# Altium PCB TEBF0808ASCII.PcbDoc (part 7 of 10) (continued)
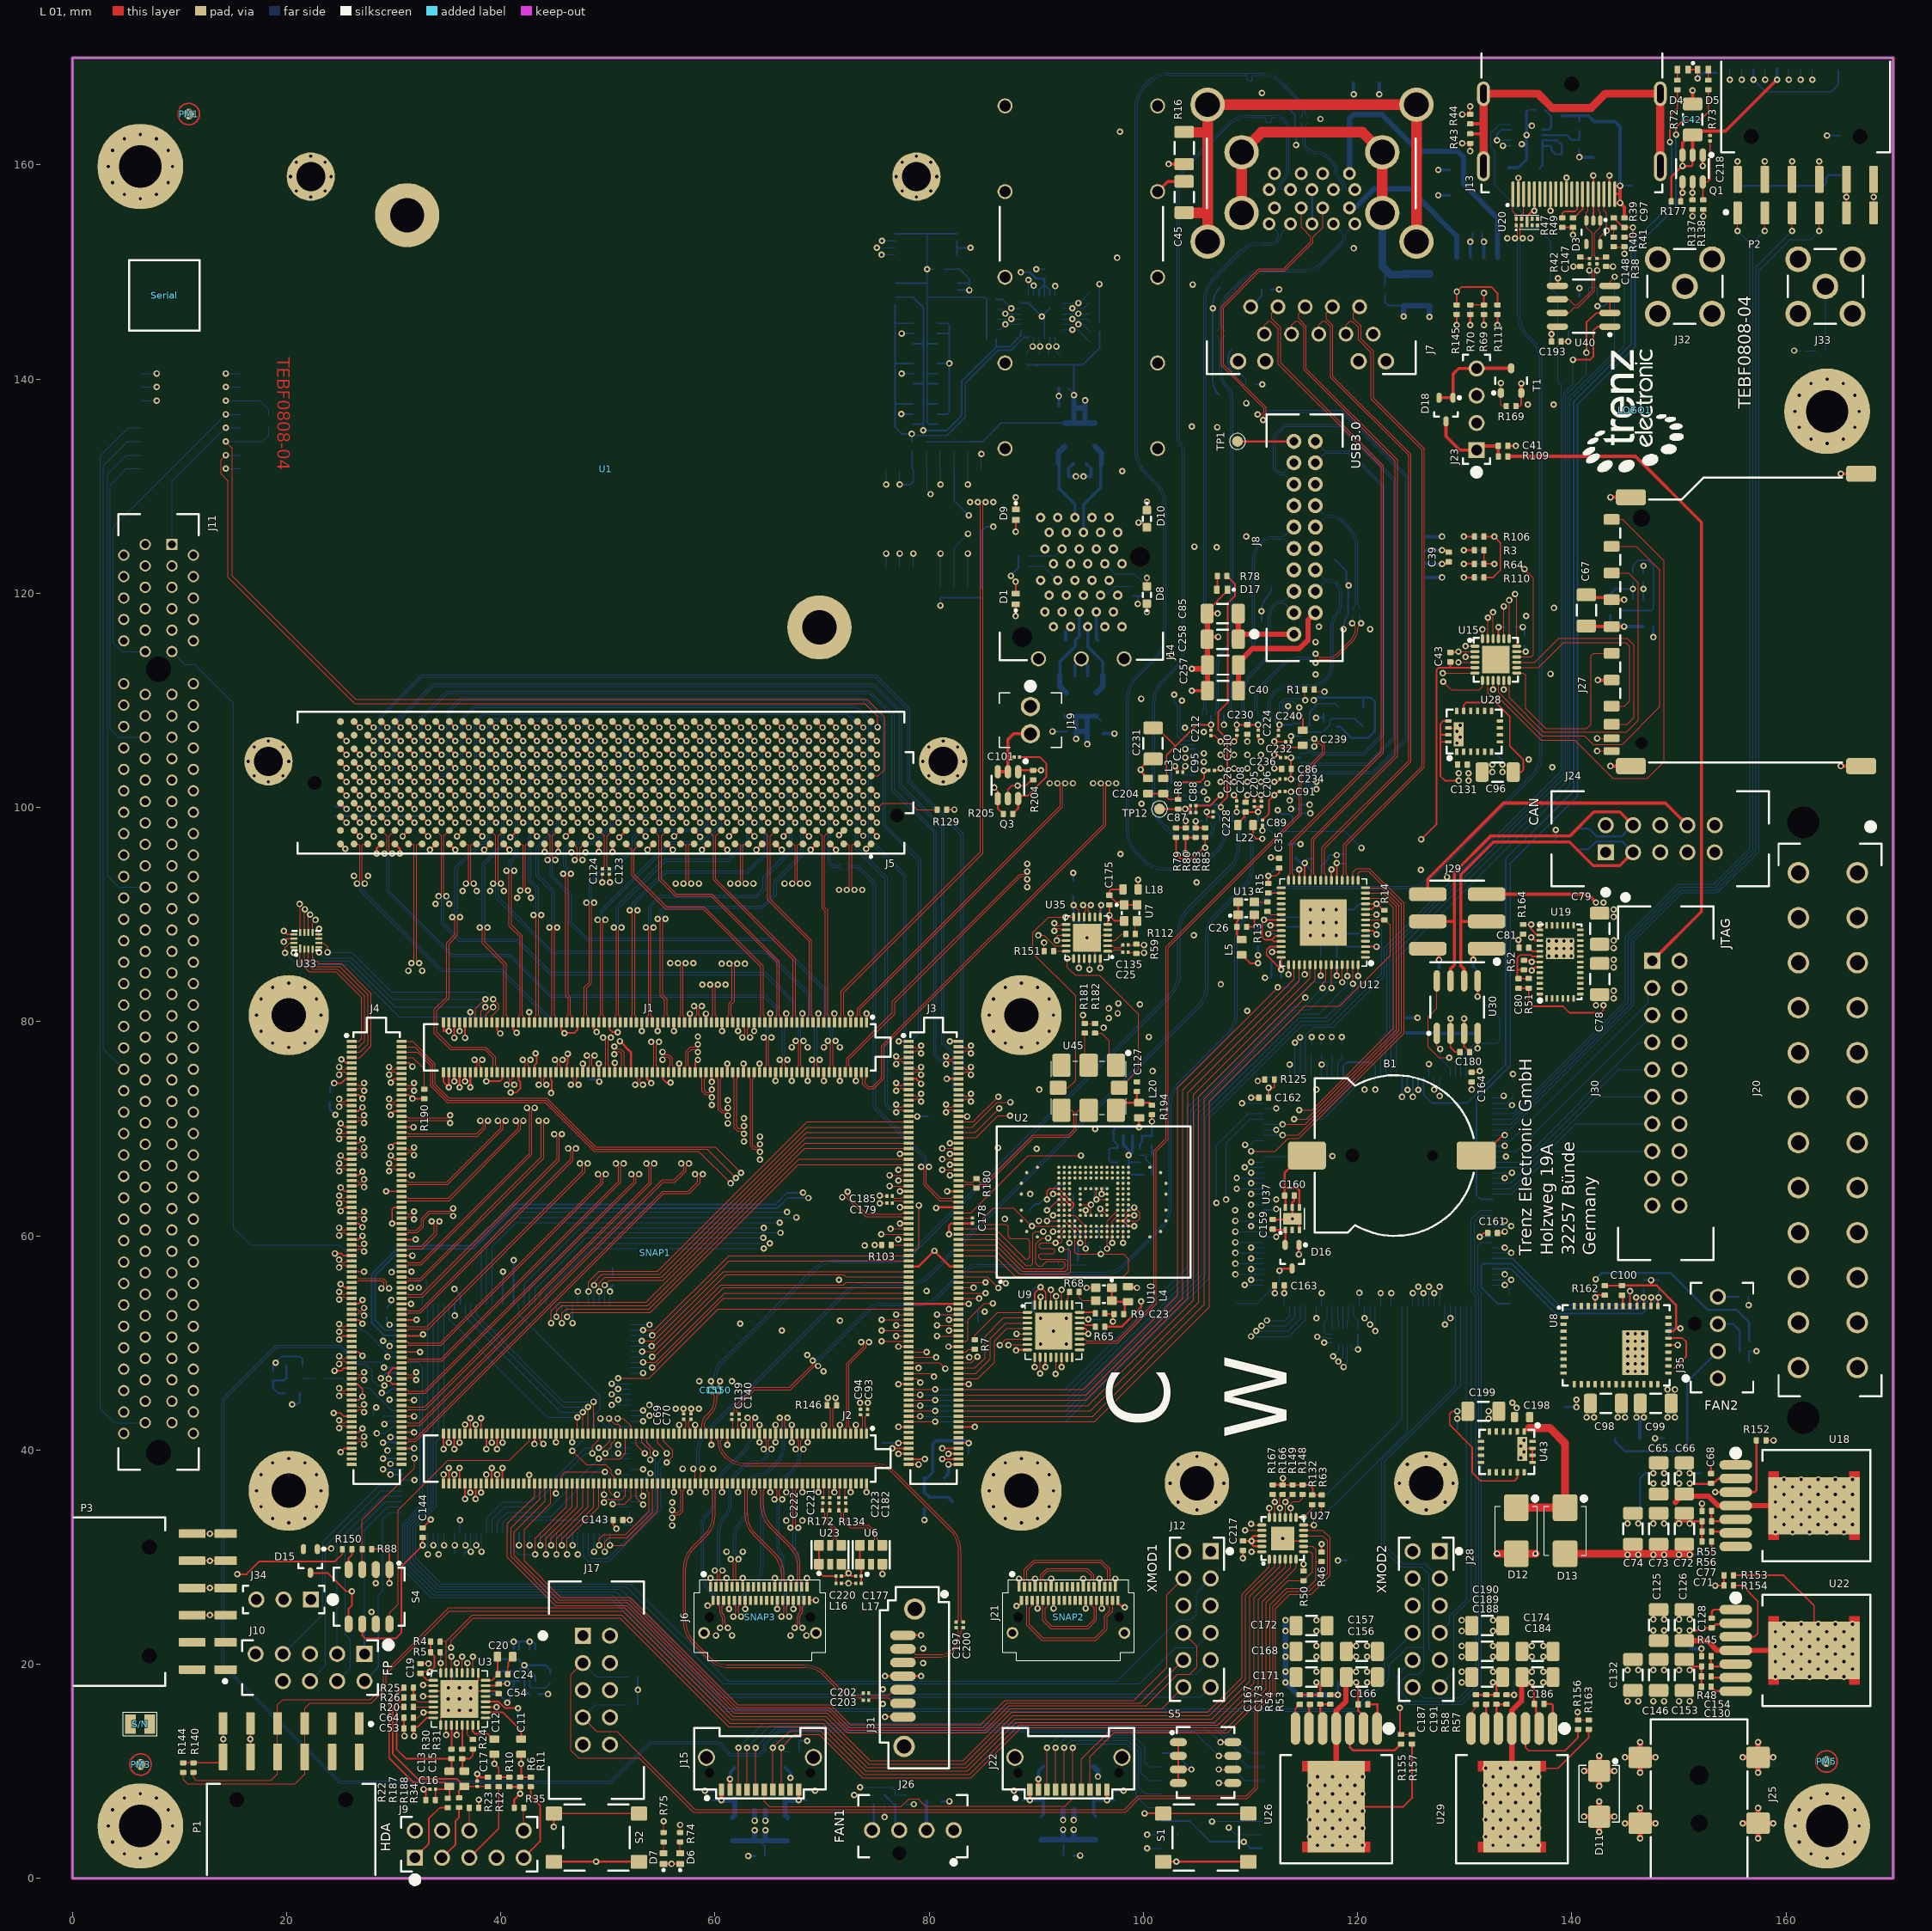
[diagram p0: L 01 view]
## Nets (pads, with @x,y where several pads share a name; then routed paths per layer and width w, separated by ;. In a path a pad name is that pad's centre, name@x,y a point inside that pad or via, vN(x,y) a via of type N, cw(c..) or ccw(c..) an arc to the next point about the centre after c; other vN are vias at no path point) (continued)
  L 01 w0.2: J5.A40@25.036,96.585 v1(25.485,96.136) ; J5.C40@25.036,99.125 v1(25.585,98.576) ; J5.E40@25.036,101.665 v1(25.585,101.116) ; J5.G40@25.036,104.205 v1(25.585,103.656) ; J5.J40@25.036,106.745 v1(25.585,106.196) ; J5.B39@26.306,97.855 v1(26.855,97.306) ; J5.D39@26.306,100.395 v1(26.855,99.846) ; J5.F39@26.306,102.935 v1(26.855,102.386) ; J5.H39@26.306,105.475 v1(26.855,104.926) ; J5.K39@26.306,108.015 v1(26.855,107.466) ; J5.B38@27.576,97.855 v1(28.125,97.306) ; J5.C38@27.576,99.125 v1(28.125,98.576) ; J5.E38@27.576,101.665 v1(28.125,101.116) ; J5.G38@27.576,104.205 v1(28.125,103.656) ; J5.J38@27.576,106.745 v1(28.125,106.196) ; v1(28.401,95.7) 28.401,96.14 J5.A37@28.846,96.585 ; J5.D37@28.846,100.395 v1(29.395,99.846) ; J5.A36@30.116,96.585 30.561,96.14 v1(30.561,95.7) ; J5.C36@30.116,99.125 v1(30.665,98.576) ; J5.F36@30.116,102.935 v1(30.665,102.386) ; J5.H36@30.116,105.475 v1(30.665,104.926) ; J5.K36@30.116,108.015 v1(30.665,107.466) ; v1(30.837,97.306) J5.B35@31.386,97.855 ; J5.D35@31.386,100.395 v1(31.935,99.846) ; J5.E35@31.386,101.665 v1(31.935,101.116) ; J5.G35@31.386,104.205 v1(31.935,103.656) ; J5.J35@31.386,106.745 v1(31.935,106.196) ; C19.2@32.5,20.05 v1(33.25,20.05) ; J5.B34@32.656,97.855 v1(33.205,97.306) ; J5.C34@32.656,99.125 v1(33.205,98.576) ; v1(33.377,96.036) J5.A33@33.926,96.585 ; J5.C33@33.926,99.125 v1(34.475,98.576) ; J5.F33@33.926,102.935 v1(34.475,102.386) ; J5.H33@33.926,105.475 v1(34.475,104.926) ; J5.K33@33.926,108.015 v1(34.475,107.466) ; v1(35.155,73.855) J1.158@35.155,75.268 ; J5.A32@35.196,96.585 v1(35.745,96.036) ; J5.C32@35.196,99.125 v1(35.745,98.576) ; J5.E32@35.196,101.665 v1(35.745,101.116) ; J5.G32@35.196,104.205 v1(35.745,103.656) ; J5.J32@35.196,106.745 v1(35.745,106.196) ; v1(35.917,97.306) J5.B31@36.466,97.855 ; v1(36.155,73.855) J1.154@36.155,75.268 ; v1(37.155,73.855) J1.150@37.155,75.268 ; J5.B30@37.736,97.855 v1(38.285,97.306) ; J5.F30@37.736,102.935 v1(38.285,102.386) ; J5.H30@37.736,105.475 v1(38.285,104.926) ; J5.K30@37.736,108.015 v1(38.285,107.466) ; C17.1@37.8,9.1 v1(37.8,9.75) 38.105,9.445 R23.2@38.8,9.445 ; v1(38.457,96.036) J5.A29@39.006,96.585 ; J5.C29@39.006,99.125 v1(39.555,98.576) ; J5.E29@39.006,101.665 v1(39.555,101.116) ; J5.G29@39.006,104.205 v1(39.555,103.656) ; J5.J29@39.006,106.745 v1(39.555,106.196) ; J5.A28@40.276,96.585 v1(40.825,96.036) ; J5.C28@40.276,99.125 v1(40.825,98.576) ; J5.D28@40.276,100.395 v1(40.825,99.846) ; R10.1@40.8,8.555 R6.1@41.8,8.555 v1(41.8,7.9) 41.255,7.355 R35.1@41.255,6.6 ; v1(40.897,97.206) J5.B27@41.546,97.855 ; J5.F27@41.546,102.935 v1(42.095,102.386) ; J5.H27@41.546,105.475 v1(42.095,104.926) ; J5.K27@41.546,108.015 v1(42.095,107.466) ; J5.B26@42.816,97.855 v1(43.365,97.306) ; J5.E26@42.816,101.665 v1(43.365,101.116) ; J5.G26@42.816,104.205 v1(43.365,103.656) ; J5.J26@42.816,106.745 v1(43.365,106.196) ; v1@44.086,95.744 J5.A25@44.086,96.585 ; J5.C25@44.086,99.125 v1(44.635,98.576) ; J5.D25@44.086,100.395 v1(44.635,99.846) ; S2.1@44.955,1.56 v1(48.9,1.56) S2.1@52.905,1.56 ; v1@45.356,95.744 J5.A24@45.356,96.585 ; J5.C24@45.356,99.125 v1(45.905,98.576) ; J5.F24@45.356,102.935 v1(45.905,102.386) ; J5.H24@45.356,105.475 v1(45.905,104.926) ; J5.K24@45.356,108.015 v1(45.905,107.466) ; v1(46.077,97.306) J5.B23@46.626,97.855 ; J5.E23@46.626,101.665 v1(47.175,101.116) ; J5.G23@46.626,104.205 v1(47.175,103.656) ; J5.J23@46.626,106.745 v1(47.175,106.196) ; J5.B22@47.896,97.855 v1(48.445,97.306) ; J5.D22@47.896,100.395 v1(48.445,99.846) ; v1@49.166,95.744 J5.A21@49.166,96.585 ; J5.C21@49.166,99.125 v1(49.715,98.576) ; J5.F21@49.166,102.935 v1(49.715,102.386) ; J5.H21@49.166,105.475 v1(49.715,104.926) ; J5.K21@49.166,108.015 v1(49.715,107.466) ; v1@50.436,95.744 J5.A20@50.436,96.585 ; J5.C20@50.436,99.125 v1(50.985,98.576) ; J5.E20@50.436,101.665 v1(50.985,101.116) ; J5.G20@50.436,104.205 v1(50.985,103.656) ; J5.J20@50.436,106.745 v1(50.985,106.196) ; v1(51.057,97.206) J5.B19@51.706,97.855 ; J5.D19@51.706,100.395 v1(52.255,99.846) ; J5.B18@52.976,97.855 v1(53.525,97.306) ; J5.F18@52.976,102.935 v1(53.525,102.386) ; J5.H18@52.976,105.475 v1(53.525,104.926) ; J5.K18@52.976,108.015 v1(53.525,107.466) ; J1.84@53.655,75.268 53.655,74.645 v1(54.05,74.25) ; v1(53.697,96.036) J5.A17@54.246,96.585 ; J5.C17@54.246,99.125 v1(54.795,98.576) ; J5.E17@54.246,101.665 v1(54.795,101.116) ; J5.G17@54.246,104.205 v1(54.795,103.656) ; J5.J17@54.246,106.745 v1(54.795,106.196) ; D7.K@55.2,1.35 D6.K@56.75,1.35 ; J5.A16@55.516,96.585 v1(56.065,96.036) ; J5.C16@55.516,99.125 v1(56.065,98.576) ; J5.D16@55.516,100.395 v1(56.065,99.846) ; v1@56.237,97.306 J5.B15@56.786,97.855 ; J5.F15@56.786,102.935 v1(57.335,102.386) ; J5.H15@56.786,105.475 v1(57.335,104.926) ; J5.K15@56.786,108.015 v1(57.335,107.466) ; J5.B14@58.056,97.855 v1@58.605,97.306 ; J5.E14@58.056,101.665 v1(58.605,101.116) ; J5.G14@58.056,104.205 v1(58.605,103.656) ; J5.J14@58.056,106.745 v1(58.605,106.196) ; v1(58.777,96.036) J5.A13@59.326,96.585 ; v1(59.315,25.465) 59.59,25.465 59.815,25.69 J6.B1@59.815,25.975 ; J5.C13@59.326,99.125 v1(59.875,98.576) ; J5.D13@59.326,100.395 v1(59.875,99.846) ; J1.60@59.655,75.268 59.655,74.415 v1(59.7,74.37) ; J5.A12@60.596,96.585 v1(61.145,96.036) ; J5.C12@60.596,99.125 v1(61.145,98.576) ; J5.F12@60.596,102.935 v1(61.145,102.386) ; J5.H12@60.596,105.475 v1(61.145,104.926) ; J5.K12@60.596,108.015 v1(61.145,107.466) ; v1(61.317,97.306) J5.B11@61.866,97.855 ; J5.E11@61.866,101.665 v1(62.415,101.116) ; J5.G11@61.866,104.205 v1(62.415,103.656) ; J5.J11@61.866,106.745 v1(62.415,106.196) ; J5.B10@63.136,97.855 v1(63.685,97.306) ; J5.D10@63.136,100.395 v1(63.685,99.846) ; v1(63.857,96.036) J5.A9@64.406,96.585 ; J5.C9@64.406,99.125 v1(64.955,98.576) ; J5.F9@64.406,102.935 v1(64.955,102.386) ; J5.H9@64.406,105.475 v1(64.955,104.926) ; J5.K9@64.406,108.015 v1(64.955,107.466) ; J5.A8@65.676,96.585 v1(66.225,96.036) ; J5.C8@65.676,99.125 v1(66.225,98.576) ; J5.E8@65.676,101.665 v1(66.225,101.116) ; J5.G8@65.676,104.205 v1(66.225,103.656) ; J5.J8@65.676,106.745 v1(66.225,106.196) ; v1(66.397,97.306) J5.B7@66.946,97.855 ; J5.D7@66.946,100.395 v1(67.495,99.846) ; J5.B6@68.216,97.855 v1(68.765,97.306) ; J5.D6@68.216,100.395 v1(68.765,99.846) ; J5.F6@68.216,102.935 v1(68.765,102.386) ; J5.H6@68.216,105.475 v1(68.765,104.926) ; J5.K6@68.216,108.015 v1(68.765,107.466) ; v1(68.937,96.036) J5.A5@69.486,96.585 ; J5.C5@69.486,99.125 v1(70.035,98.576) ; J5.E5@69.486,101.665 v1(70.035,101.116) ; J5.G5@69.486,104.205 v1(70.035,103.656) ; J5.J5@69.486,106.745 v1(70.035,106.196) ; J5.A4@70.756,96.585 v1(71.305,96.036) ; J5.C4@70.756,99.125 v1(71.305,98.576) ; J5.E4@70.756,101.665 v1(71.305,101.116) ; J5.G4@70.756,104.205 v1(71.305,103.656) ; J5.J4@70.756,106.745 v1(71.305,106.196) ; v1(71.577,97.406) J5.B3@72.026,97.855 ; J5.D3@72.026,100.395 v1(72.575,99.846) ; J5.F3@72.026,102.935 v1(72.575,102.386) ; J5.H3@72.026,105.475 v1(72.575,104.926) ; J5.K3@72.026,108.015 v1(72.575,107.466) ; J5.B2@73.296,97.855 v1@73.745,97.406 ; J5.D2@73.296,100.395 v1(73.845,99.846) ; J5.F2@73.296,102.935 v1(73.845,102.386) ; J5.K2@73.296,108.015 v1(73.845,107.466) ; v1(74.117,96.136) J5.A1@74.566,96.585 ; J5.C1@74.566,99.125 v1(75.115,98.576) ; J5.E1@74.566,101.665 v1(75.115,101.116) ; J5.G1@74.566,104.205 v1(75.115,103.656) ; J5.J1@74.566,106.745 v1(75.115,106.196) ; v1(75.865,15.075) J31.7@77.55,15.075 ; v1(75.865,18.885) J31.4@77.55,18.885 v1(79.235,18.885) ; J31.1@77.55,22.695 v1(79.235,22.695) ; J3.99@78.07,53.653 J3.100@82.74,53.653 v1(83.683,53.653) ; J3.85@78.07,57.153 79.028,57.153 v1(80.475,58.6) 81.922,57.153 J3.86@82.74,57.153 ; v1(80.654,62.603) 80.653,62.604 80.653,62.653 J3.64@82.74,62.653 ; v1(81.678,64.153) J3.58@82.74,64.153 ; v1(81.85,60.15) 81.85,60.95 82.053,61.153 J3.70@82.74,61.153 84.005,61.153 C178.1@84.025,61.173 ; v1(88.1,49.3) 88.15,49.35 U9.8@89.16,49.35 ; Q3.1@88.3,103.33 88.44,103.47 R204.2@89.7,103.47 v1(90.445,103.47) ; v1(90.85,47.75) U9.11@90.85,48.66 ; v1(92.35,47.75) U9.14@92.35,48.66 ; J21.B19@97.615,25.975 97.615,25.76 98.05,25.325 v1(98.25,25.325) ; C204.2@100.425,102.71 99.75,103.385 v1(99.75,103.525) 99.75,103.675 100.6,104.525 C231.1@100.9,104.525 C231.1@100.7,104.325 ; S1.1@101.845,1.56 v1(103.08,1.56) S1.1@109.795,1.56 ; v1(109.275,29.9) 109.3,29.925 C217.1@109.3,30.625 ; R15.2@111.65,92.895 v1(111.65,93.6) ; C159.2@112.075,61.525 113.83,61.525 v1(113.9,61.595) ; C160.2@114.075,63.75 114.075,63.3 113.9,63.125 U37.5@113.9,62.65 v1(113.9,61.595) ; U37.3@114.55,60.54 114.55,61.325 114.28,61.595 v1(113.9,61.595) ; C167.2@114.6,17.15 C173.2@115.55,17.15 R54.2@116.5,17.15 ; v1(116.16,18.3) 116.5,17.96 R54.2@116.5,17.15 ; R54.2@116.5,17.145 R54.2@116.5,17.15 ; v1(119.86,18.3) 120.05,18.3 C166.2@120.05,16.25 120.05,15.65 120.54,15.16 U26.2@120.54,14 ; v1(127.88,122.74) 128.315,122.74 C39.2@128.5,122.925 ; C187.2@131.05,17.15 C191.2@132,17.15 132.945,17.15 R58.2@132.95,17.145 132.95,18.2 C188.2@133.55,18.8 ; C41.1@134.025,133.75 v1(134.775,133.75) ; C174.1@135.35,18.8 136.45,17.7 136.45,16.35 C186.2@136.5,16.3 136.65,16.15 136.65,14.29 U29.2@136.94,14 ; U20.3@135.8,154.65 135.8,155.181 136.336,155.716 v1(136.5,155.716) ; U40.5@138.65,148.705 138.7,148.755 v1(138.7,149.4) ; C100.1@144.676,55.351 147.388,55.351 ; v1(147.388,55.871) 147.388,55.351 ; U8.29@149.026,51.091 149.466,51.091 149.726,51.351 ; 149.7,33.35 R56.2@152.155,33.35 C71.2@152.155,31.455 ; v1(150.126,51.351) 149.726,51.351 ; v1(151,19.45) 151.35,19.8 R48.2@152.105,19.8 152.1,19.795 C154.2@152.1,18.85 C130.2@152.1,17.9 ; v1@151.15,23 v1(151,23.15) 152.355,23.15 152.605,23.4 C128.2@153.05,23.4 ; 151.4,36.85 153.2,36.85 153.69,37.34 U18.2@155.3,37.34 ; C128.2@153.25,23.55 153.4,23.7 155.17,23.7 U22.2@155.3,23.83 ; 147.388,55.351 147.924,55.351 149.726,53.549 149.726,51.351
  L 01 w0.3: J15.2@61.4,8.29 v1(61.4,9.28) ; J22.2@90.2,8.29 v1(90.2,9.28) ; v1(97.3,106.9) v1@97.315,106.885 ; J14.H0@101.325,157.5 102.269,158.444 C45.2@103.8,158.444 C45.2@103.744,158.5 ; v1(102.35,160.066) R16.2@103.8,160.066 ; v1(104.525,110.9) C40.2@105.975,110.9 ; C258.2@106.325,115.675 106.325,115.925 v1(106.975,115.925) ; C85.2@106.325,118.075 106.35,118.1 v1(106.925,118.1) ; T1.2@135.275,138.7 v1(135.275,139.575) ; C67.2@141.35,119.85 141.6,119.6 143.495,119.6 J27.3@143.71,119.385 v1(144.885,119.385) ; v1(142.415,111.885) J27.6@143.71,111.885 ; v1(143.61,103.86) J27.12@145.51,103.86 ; v1(143.61,128.96) J27.12@145.51,128.96 ; C42.2@151.275,165.675 v1(151.275,166.95) ; v1(152.225,159.9) Q1.1@152.225,160.905 ; v1(165.11,103.86) J27.12@167.01,103.86 ; v1(165.11,131.16) J27.12@167.01,131.16
  L 01 w0.5: v1(104.525,112.95) 105.625,112.95 C257.2@105.975,113.3 ; C85.2@105.95,118.1 105.975,118.075 C257.2@105.975,113.3 ; C40.2@105.975,110.9 C257.2@105.975,113.3 ; U26.8@118,6.695 U26.4@118,14 118,15.64 118.91,16.55 C156.1@118.91,18.8 ; U29.8@134.4,8.538 U29.4@134.4,14 134.4,15.681 135.3,16.581 135.3,17.9 135.35,17.95 C174.1@135.35,18.8 ; v1(141.13,5.765) D11.2@142.55,5.765 ; v1(142.55,4.345) D11.2@142.55,5.765 ; v1(142.55,7.185) D11.2@142.55,5.765 ; v1(143.97,5.765) D11.2@142.55,5.765 ; 149.65,35.1 150.25,35.7 152.75,35.7 153.65,34.8 U18.4@155.3,34.8 U18.8@162.605,34.8 ; C126.1@150.5,22.2 152.65,22.2 153.56,21.29 U22.4@155.3,21.29 U22.8@162.605,21.29 ; v1(155.96,5.15) J25.2@157.38,5.15 ; v1(155.96,11.3) J25.3@157.38,11.3 ; v1(157.38,3.73) J25.2@157.38,5.15 ; v1(157.38,6.57) J25.2@157.38,5.15 ; v1(157.38,9.88) J25.3@157.38,11.3 ; v1(157.38,12.72) J25.3@157.38,11.3 ; v1(158.8,5.15) J25.2@157.38,5.15 ; v1(158.8,11.3) J25.3@157.38,11.3
  L 02 G w0.15: v1@29.526,46.576 v1(29.526,46.652) ; v1(31.627,55.178) v1@31.65,55.154 ; v1@32.736,50.814 v1(32.75,50.8) ; v1@43.125,77.156 v1(43.252,77.029) ; v1@46.2,77.05 v1(46.25,77) ; v1@48.879,79.029 v1(48.952,79.029) ; v1(58.15,42.35) v1@58.15,42.4 ; v1(131.4,75.4) v1@131.5,75.3 ; v1(140.1,153.45) v1@140.15,153.4
  L 02 G w0.2: v1(80.654,62.603) v1@80.654,62.646 ; J7.U16@115.735,154.483 J7.U7@115.735,157.683 115.735,161.315
  L 03 S w0.1: v1(99.15,62.65) v1@99.4,62.65
  L 03 S w0.2: v1(90.445,103.47) v1@90.45,103.475
  L 03 S w0.3: v1@104.4,110.775 v1(104.525,110.9)
  L 16 w0.1: v1(14.32,131.63) U38.8@15.75,131.63 ; U39.101@36.2,32.28 v1(36.2,33.45) ; U39.64@52.12,38.2 v1(53.29,38.2) ; U39.53@52.12,43.7 v1(53.29,43.7) ; U39.46@52.12,47.2 v1(53.29,47.2) ; v1(75.98,130.145) U44.1@75.98,131.575 ; U44.8@84.87,131.575 v1(84.87,133.005) ; 92.075,57.6 92.075,57.3 92.736,57.3 94.8,57.3 ; C108.2@98.425,62.725 C108.2@98.5,62.65 ; v1(100.345,2.815) U34.1@101.775,2.815 ; v1(100.345,4.085) U34.2@101.775,4.085 ; v1(109.5,68.5) 109.95,68.5 110.35,68.9 U17.64@111.23,68.9 ; U17.46@111.23,59.9 v1(112.4,59.9) ; U17.53@111.23,63.4 v1(112.4,63.4) ; U17.29@116.65,53.48 v1(116.65,54.65) ; U17.80@116.65,74.82 v1(116.65,75.99) ; U32.9@119.45,49.85 119.45,49.45 119.5,49.4 v1(120.025,49.4) ; v1(121.65,73.65) U17.90@121.65,74.82 ; U17.18@122.15,53.48 v1(122.15,54.65) ; U17.8@127.15,53.48 v1(127.15,54.65) ; v1(127.15,73.65) U17.101@127.15,74.82 ; U17.134@132.57,60.4 v1(133.74,60.4) ; U17.124@132.57,65.4 v1(133.74,65.4) ; U17.116@132.57,69.4 v1(133.74,69.4)
  L 16 w0.15: v1(18.975,48.15) 19.556,48.731 21.227,48.731 21.475,48.483 U25.2@21.475,47.9 ; v1@25.055,39.65 v1(25.055,39.806) ; C141.2@29.35,53.3 29.79,53.74 v1(29.79,54) ; v1@29.495,37.7 v1(29.71,37.7) U39.116@30.78,37.7 ; v1(29.526,46.652) 29.574,46.7 U39.134@30.78,46.7 ; U39.124@30.78,41.7 31.864,41.7 v1(31.915,41.649) ; C63.2@33.7,17.01 34.83,17.01 v1(35.09,16.75) ; C18.2@35.6,19.19 35.6,18.34 v1(36.14,17.8) ; v1(35.679,55.034) 36.2,54.513 U39.8@36.2,53.62 ; U39.18@41.2,53.62 v1(41.2,57.725) ; v1@41.7,31.21 U39.90@41.7,32.28 ; v1@46.7,31.21 U39.80@46.7,32.28 ; v1(46.7,51.857) U39.29@46.7,53.62 ; C142.2@50.45,56.3 50.45,57 ; v1(75.6,152.9) U5.7@76.8,152.9 ; v1(77.4,136.725) U36.2@78.475,136.725 ; v1(77.425,140.5) U41.2@78.5,140.5 ; v1(77.425,144.25) U42.2@78.5,144.25 ; R98.2@77.825,6.905 78.533,6.905 v1(78.554,6.925) ; v1(78.88,71.153) 78.883,71.15 TP30.1@79.9,71.15 ; U36.5@80.775,136.725 81.7,136.725 81.875,136.9 v1(81.875,141.45) ; U41.4@80.8,141.45 v1(81.875,141.45) ; U42.5@80.8,144.25 81.875,144.25 ; U42.4@80.8,145.2 81.675,145.2 81.875,145 81.875,144.25 ; C138.2@81.35,150.25 82.85,150.25 83.75,149.35 83.75,148.95 ; U5.4@82.6,151.6 U5.3@82.6,152.25 ; U5.2@82.6,152.9 U5.3@82.6,152.25 ; U24.2@82.675,148.3 v1(83.75,148.3) 83.75,148.95 ; U24.1@82.675,148.95 83.75,148.95 ; v1(83.85,152.25) U5.3@82.6,152.25 ; U16.18@88.56,147.1 89.26,147.1 v1(90.51,145.85) ; C158.1@89.6,53.95 89.6,53.1 v1(90.4,52.3) ; v1(90,150.255) C215.1@90.775,150.255 ; U16.9@90.76,143.9 90.76,145.6 v1(90.51,145.85) ; U16.25@91.26,146.6 v1(90.51,145.85) ; C22.2@91.85,52.8 92.3,52.8 v1(92.8,52.3) ; v1(92.8,49.9) 93.3,50.4 C21.2@93.3,50.87 ; C76.2@93.475,89.315 94.26,89.315 94.725,88.85 v1(94.725,87.825) ; C75.2@93.485,87.575 94.475,87.575 ; C195.2@93.975,86.525 93.975,87.075 94.475,87.575 ; C116.2@95.425,64.625 95.425,63.575 v1(95.6,63.4) ; C183.2@95.925,86.515 95.925,87.425 95.525,87.825 95.2,87.825 ; C194.2@96.025,89.325 96.025,88.65 95.2,87.825 ; C108.2@98.5,62.65 v1(99.15,62.65) ; v1(98.625,67.525) U47.7@98.625,66.875 ; U47.3@99.675,66.875 U47.7@98.625,66.875 ; R193.1@100.03,65.7 98.9,65.7 98.625,65.975 U47.7@98.625,66.875 ; U34.8@101.775,11.705 102.945,11.705 v1(104.475,10.175) ; v1@106.501,146.626 v1(106.475,146.6) ; 107.05,138.525 cw(c108.438,139.913) 106.475,139.913 U50.3@106.475,145.675 v1(106.475,146.6) ; 107.175,148.575 ccw(c108.865,146.885) 106.475,146.885 v1(106.475,146.6) ; v1(107.51,107.71) U4.50@107.51,108.585 ; 108.275,140.725 cw(c109.193,141.643) 107.895,141.643 107.895,141.907 cw(c109.193,141.907) 108.275,142.825 ; R36.2@110.445,139.5 v1(111.1,139.5) ; U49.3@111.025,117.35 v1(111.025,118.325) cw(c112.956,118.325) 111.591,119.691 ccw(c110.723,120.558) 111.95,120.558 ; v1(111.35,84.1) C37.2@111.95,84.1 C36.2@111.95,85.55 ; v1(111.65,93.6) 112.25,94.2 C29.2@113,94.2 ; C44.2@111.925,148.375 v1(112.675,148.375) ; C30.2@112.85,89.75 114.9,89.75 v1(115.6,90.45) v1(116.8,89.25) ; C169.2@113.4,88.85 114.8,88.85 v1(115.6,88.05) ; 113.4,165.4 113.973,164.827 cw(c113.546,164.4) 114.15,164.4 114.15,163.625 114.25,163.525 U11.3@114.25,162.8 v1(114.25,161.85) ; v1(116.125,108.375) 116.8,108.375 ; C27.2@116.55,86.057 116.55,87.1 v1(115.6,88.05) ; C33.1@116.6,94.025 116.6,94.54 C34.1@117.26,95.2 117.26,95.46 117.35,95.55 v1(118.05,95.55) 118.15,95.65 C32.2@118.85,95.65 ; C256.1@116.8,107.975 116.8,108.375 ; C255.1@116.8,108.775 116.8,108.375 ; 117.9,123.1 118.95,122.05 118.95,120.925 v1(119.15,120.725) U51.3@119.15,119.675 ccw(c119.271,119.554) 119.1,119.554 119.1,118.087 cw(c118.588,118.087) 118.95,117.725 ccw(c119.433,117.242) 118.75,117.242 118.75,116.73 v1(118.67,116.65) ; C28.2@118.05,86.007 v1@118.05,88 ; U17.84@118.65,74.82 118.65,75.85 119,76.2 121.3,76.2 121.65,75.85 U17.90@121.65,74.82 ; v1(120.025,49.4) U32.8@120.025,50.025 U32.7@120.025,50.425 U32.6@120.025,50.825 ; C31.2@120.1,87 119.05,87 v1@118.05,88 ; C38.2@120.1,88.2 118.15,88.2 v1(118,88.05) ; C14.2@120.15,91 119.6,90.45 v1(118,90.45) v1(116.8,89.25) ; C261.2@122.55,147.85 122.55,147.175 122.875,146.85 C149.2@124.3,146.85 ; U14.6@126.265,122.925 U14.6@126.45,122.74 ; v1@129.07,107.305 v1(129.265,107.11) ; v1(130.515,152.805) 130.725,153.015 C82.2@130.725,153.6 ; C46.1@134.725,116.85 v1(135.425,116.85) 135.575,116.7 C165.1@135.575,116.05 ; 135.765,164.935 135.965,165.135 C134.1@136.565,165.135 C134.1@136.565,165.085 ; v1@139.7,143.54 TP31.1@139.7,144.5 ; v1(140.69,160.71) R67.2@140.69,161.435 ; v1(142.4,146.8) 143,146.8 143.295,147.095 R159.1@143.295,147.7 ; R186.2@146.676,55.871 v1(147.388,55.871) R185.2@148.101,55.871 ; R139.2@146.675,121.92 v1(146.675,122.55) ; v1(156.955,167.938) 158.068,166.825 164.225,166.825 164.865,167.465 J16.G1@164.865,168.825 ; v1(81.875,141.45) 81.875,144.25 ; 94.475,87.575 v1(94.725,87.825) ; v1(94.725,87.825) 95.2,87.825 ; v1(115.6,88.05) v1(116.8,89.25) ; v1(116.8,89.25) v1(118,88.05) ; v1(118,88.05) v1@118.05,88
  L 16 w0.2: C145.2@18.725,47.4 18.725,47.9 v1(18.975,48.15) ; C216.2@39.8,19.35 41.65,19.35 v1(42.2,19.9) ; C207.2@39.8,20.45 41.65,20.45 v1(42.2,19.9) ; U46.6@43.2,18.43 43.2,18.9 v1(42.2,19.9) ; R171.2@43.545,17.2 v1(44.4,17.2) ; C214.1@44.6,19.1 44.6,19.5 44.2,19.9 v1(42.2,19.9) ; v1@57.65,36.053 v1(57.655,36.058) ; v1(59.05,8.2) C106.1@59.85,8.2 ; v1(63.1,2.1) C104.1@63.75,2.1 ; C110.2@68.55,8.2 v1(69.35,8.2) ; v1(87.9,8.2) C114.1@88.7,8.2 ; v1(91.5,107.1) C47.2@92.85,107.1 ; C112.1@93.45,2.15 v1(94.1,2.15) ; C120.2@93.9,57.75 C119.2@93.9,58.65 93.9,59.15 v1(94.1,59.35) ; C118.2@97.35,8.2 v1(98.15,8.2) ; R77.1@102.605,102.3 R195.1@102.605,103.2 102.605,103.505 v1(102.95,103.85) ; v1(110.7,86.2) C136.2@110.7,86.99 ; R200.1@113.495,96.55 113.57,96.475 113.57,96.581 113.576,96.575 v1(114.675,96.575) ; J7.U16@115.735,154.483 J7.U7@115.735,157.683 ; v1(115.9,110) 116.15,110.25 120.51,110.25 ; Y1.4@118.025,107.525 Y1.4@118.2,107.525 118.375,107.525 119.4,106.5 121,106.5 121.6,107.1 121.6,109.9 121.25,110.25 120.51,110.25 ; v1(118.15,29.675) 119.025,29.675 ; Y1.2@120.51,109.385 120.51,110.25 ; D14.3@138.5,97.05 v1(138.5,97.9) ; v1(147.6,115.9) Q2.1@147.6,116.895 ; R82.1@149.05,50.695 149.05,51.351 v1(150.126,51.351) ; v1(151.74,168.06) 151.74,168.09 152.25,168.6 J16.G2@153.545,168.6 ; J16.G3@155.67,158.05 J16.G4@161.44,158.05 163.475,158.05 163.725,158.3 163.725,158.775 163.975,159.025 J16.10@165.04,159.025 ; v1(156.955,167.938) J16.6@156.955,168.95
  L 16 w0.3: v1(61.4,9.28) 61.4,9.9 C105.2@61.85,10.35 ; C109.1@66.55,10.35 67.05,9.85 v1(67.05,9.4) ; v1(79.55,33.475) C1.1@79.55,34.5 ; v1(90.2,9.28) 90.2,10 C113.2@90.65,10.45 ; C58.2@92.09,137.5 92.1,137.51 v1(92.1,138.4) C57.2@92.1,139.15 ; C52.2@92.75,115.6 92.75,116.43 J14.T14@93.2,116.88 ; C59.2@93.47,132.1 93.01,131.64 C60.2@93.01,130.9 C62.2@95.11,130.9 95.11,131.64 C61.2@94.65,132.1 ; C51.2@93.61,112.3 93.61,113.285 J14.H0@94.2,113.875 94.79,113.285 C49.2@94.79,112.3 ; J14.T17@95.6,118.26 95.6,115.75 C50.2@95.75,115.6 ; C48.2@96.21,106.9 v1(97.3,106.9) ; C181.1@98.125,69.325 98.125,68.5 98.625,68 v1(98.625,67.525) 98.975,67.875 C196.2@98.975,69.325 ; v1(119.625,166.575) C260.2@119.625,167.6 ; v1(122.025,166.575) C84.2@122.025,167.6 ; C192.1@124.55,80.36 125.61,80.36 v1(125.595,80.375) ; U14.6@126.45,122.74 v1(127.88,122.74) ; v1(127.525,157.15) C83.2@128.55,157.15 ; v1(127.525,159.525) C259.2@128.55,159.525 ; U21.6@130.515,151.375 v1(130.515,152.805) ; C129.2@134.115,159.735 135.015,159.735 135.765,160.485 v1(135.765,162.785) 135.765,164.935 ; v1(140.69,160.71) C137.1@141.99,160.71 ; U48.2@146.35,41.1 146.35,42.675 v1(146.726,43.051)
  L 16 w0.5: v1(63.7,5.4) C103.1@63.7,6.34 ; v1(64.7,5.4) C103.1@64.7,6.34 ; v1(92.5,5.45) C111.1@92.5,6.39 ; v1(93.5,5.45) C111.1@93.5,6.39 ; C117.1@95.35,10.45 95.75,10.05 v1(95.75,9.5) ; v1(124.3,145.85) C149.2@124.3,146.85 126.65,146.85 R143.2@126.7,146.8 v1(126.7,145.8)